# Altium PCB EDA-03518-V3-0_pcb.pcbdoc (part 1 of 14) (continued)
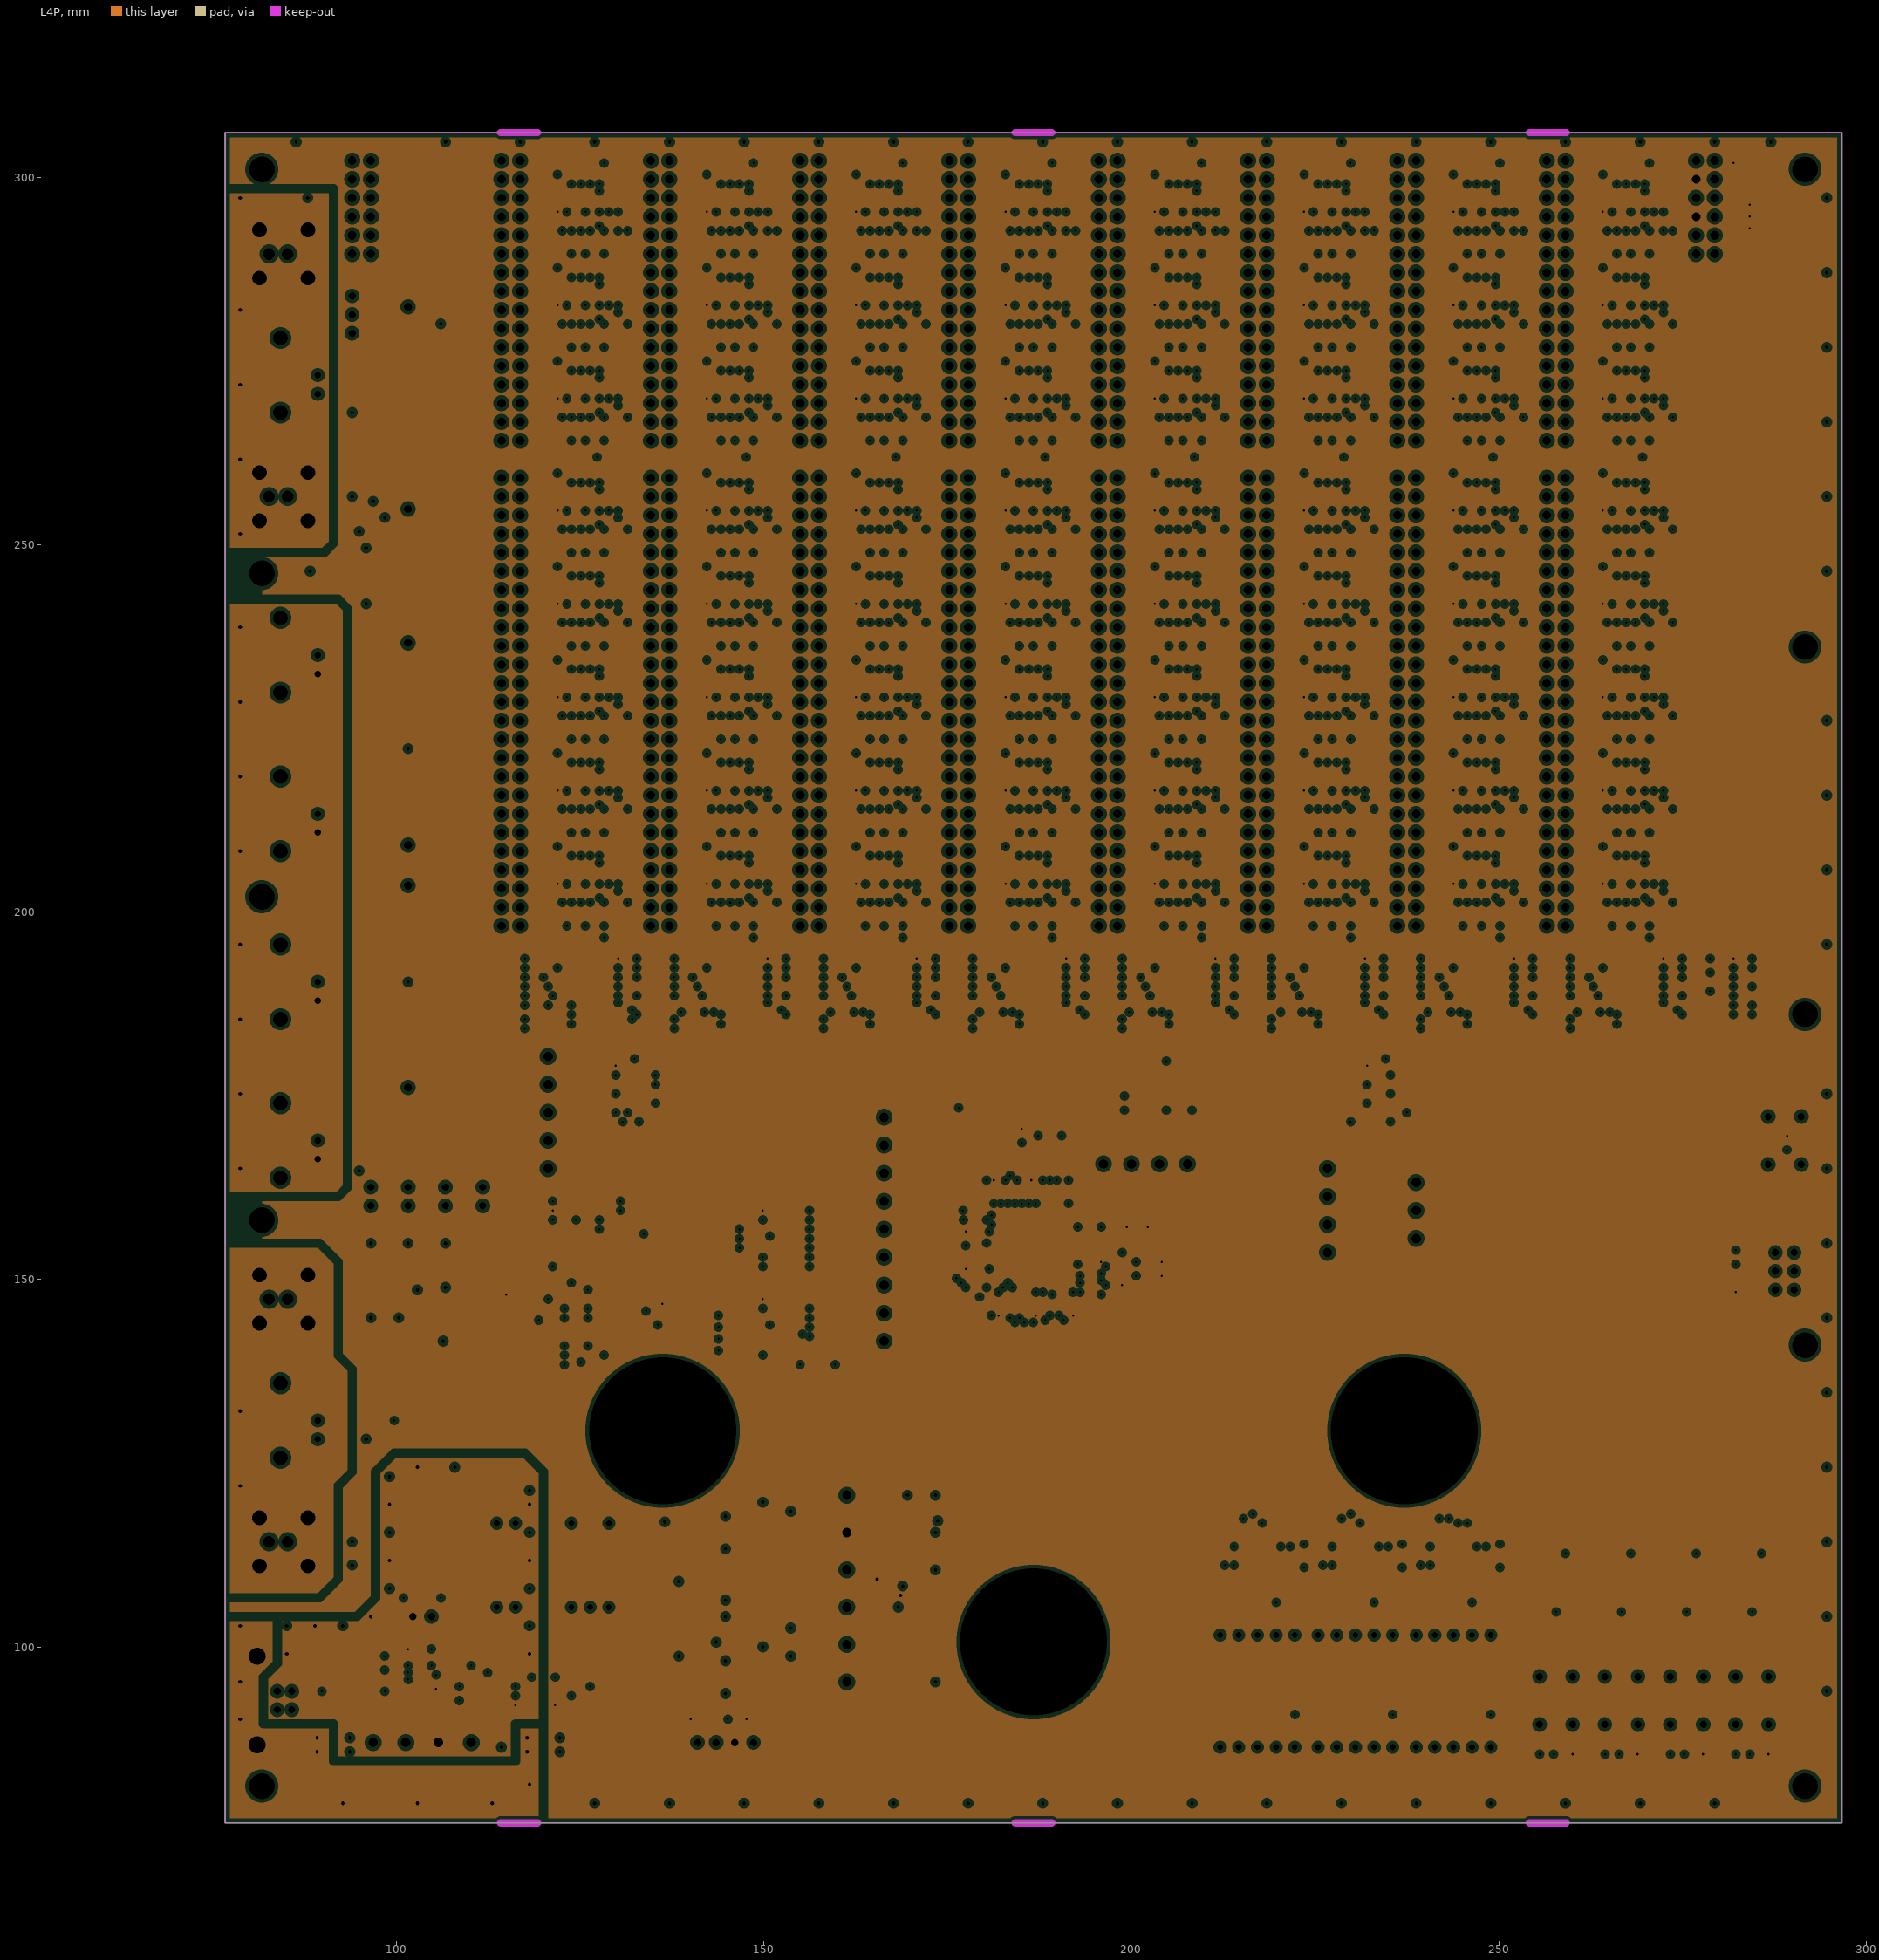
[diagram p4: L4P, clearances drawn from the general rule]
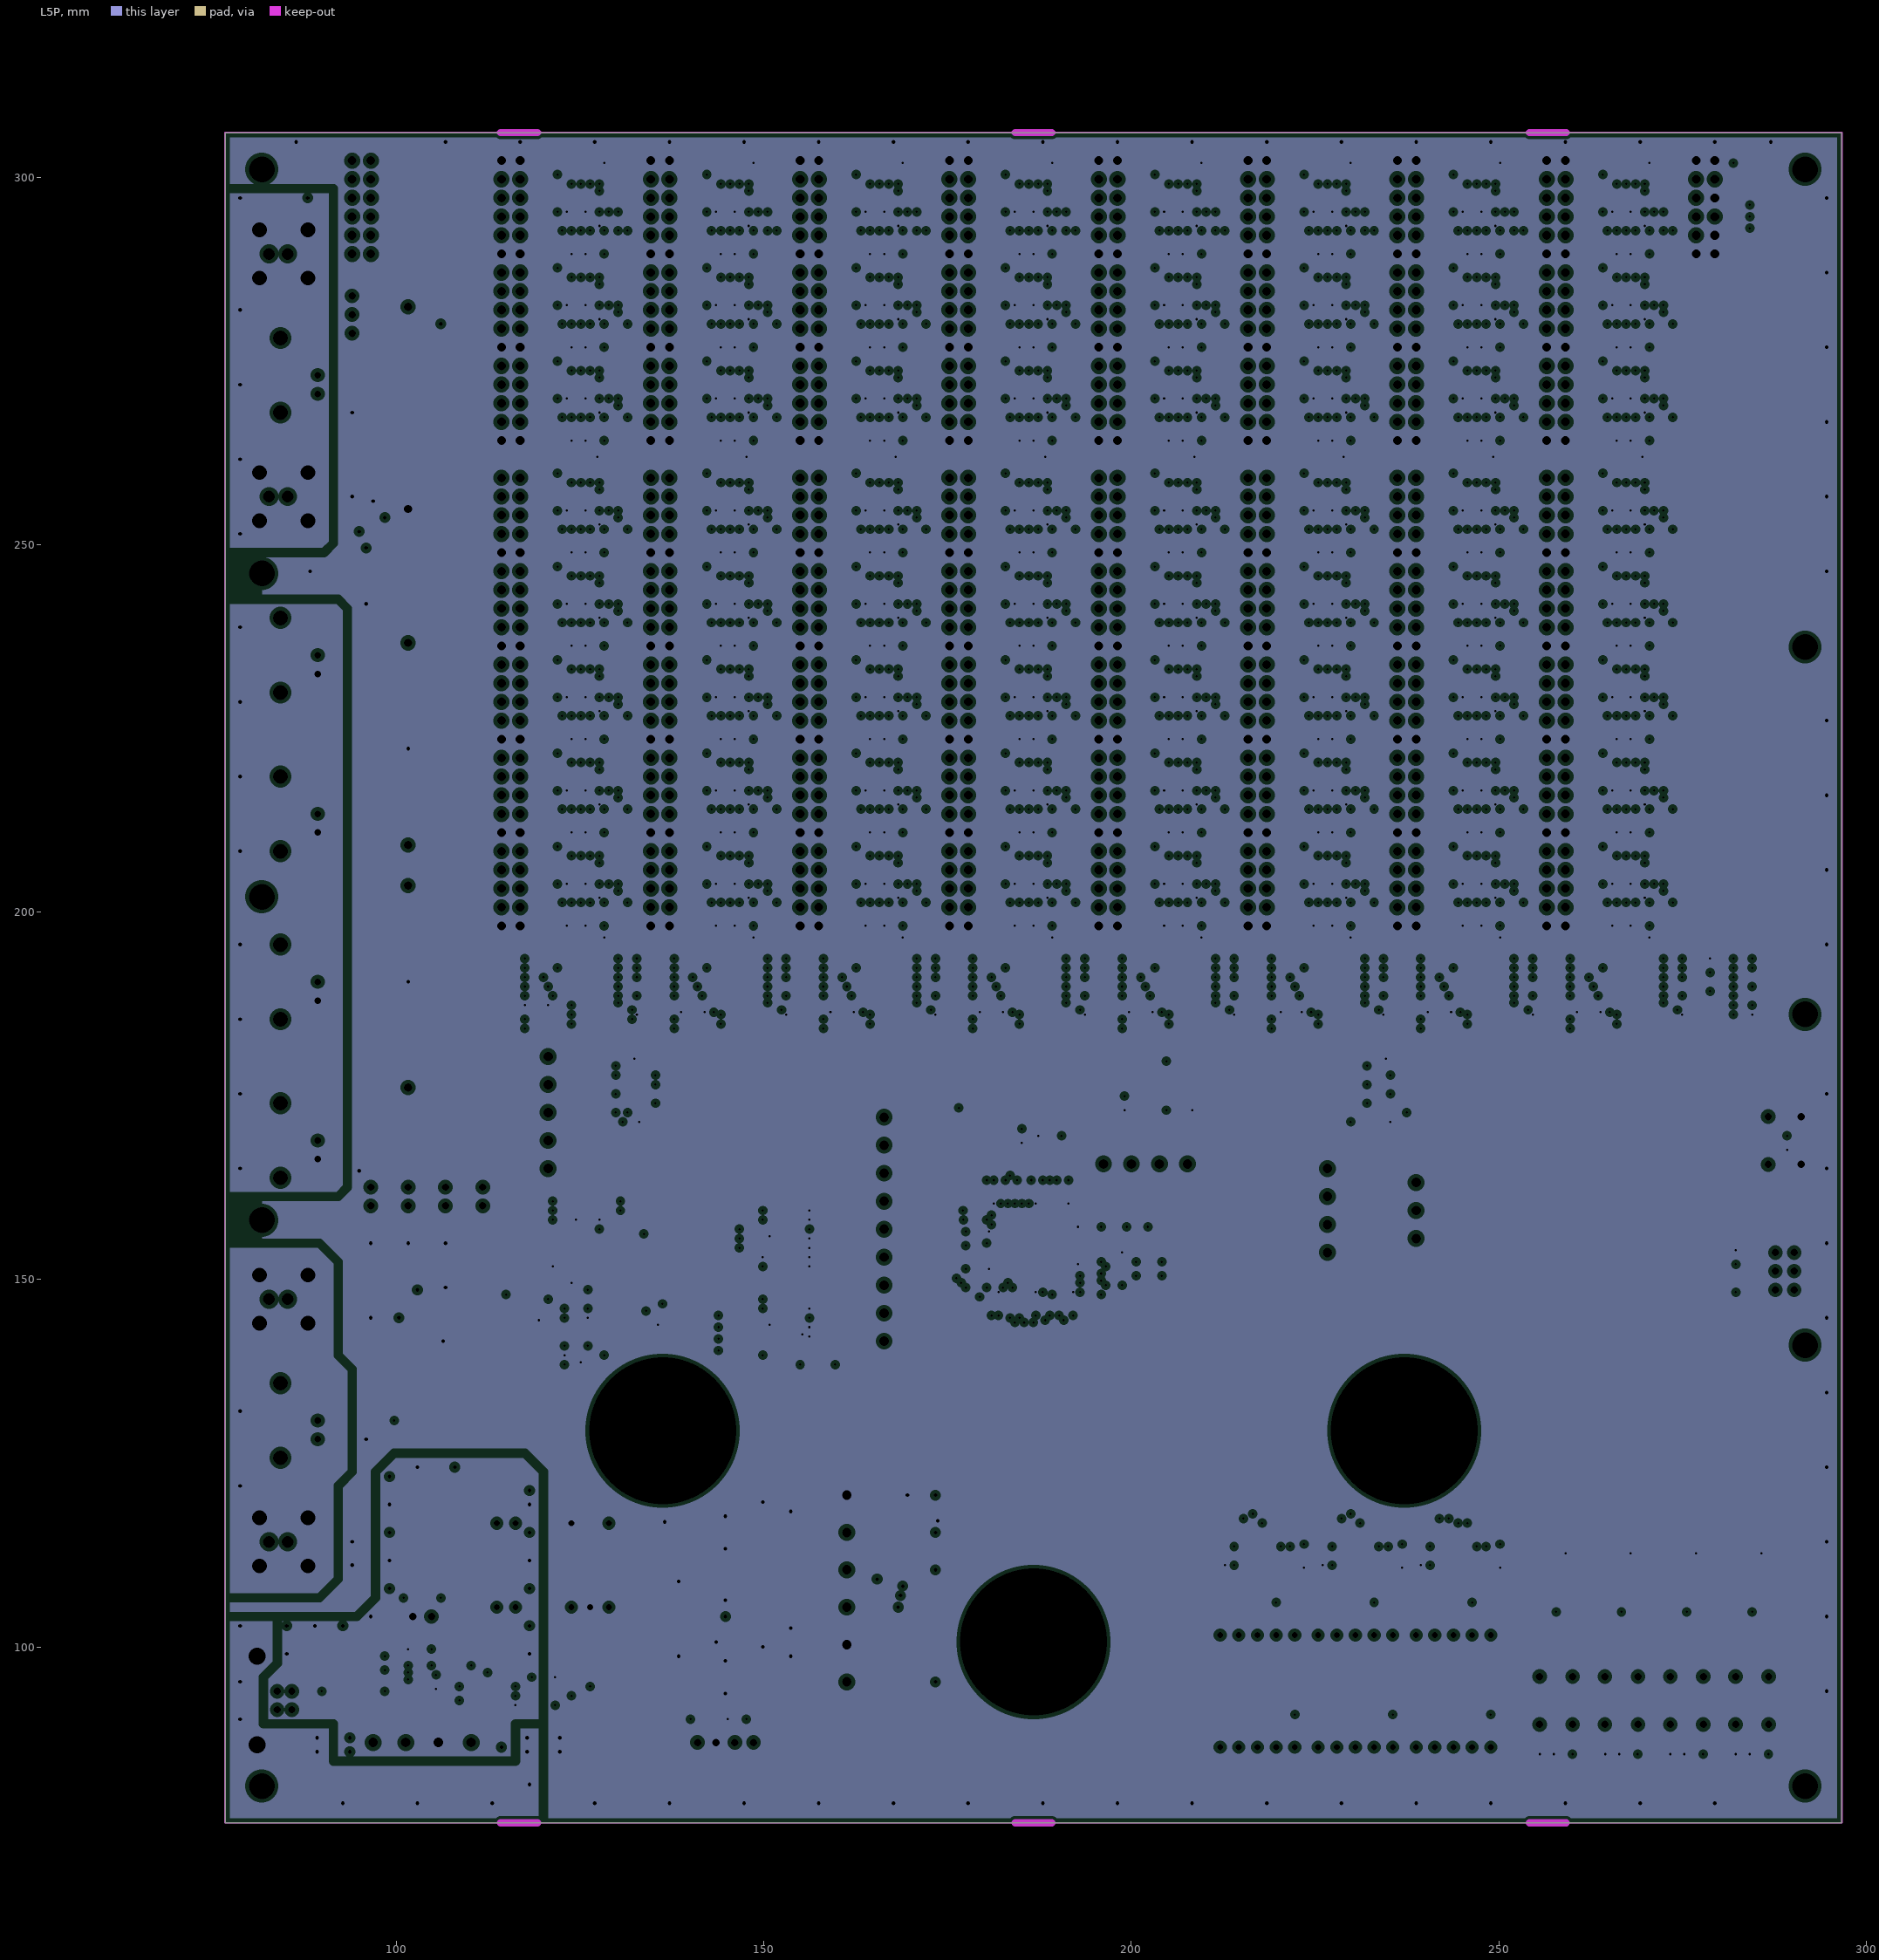
[diagram p5: L5P, clearances drawn from the general rule]
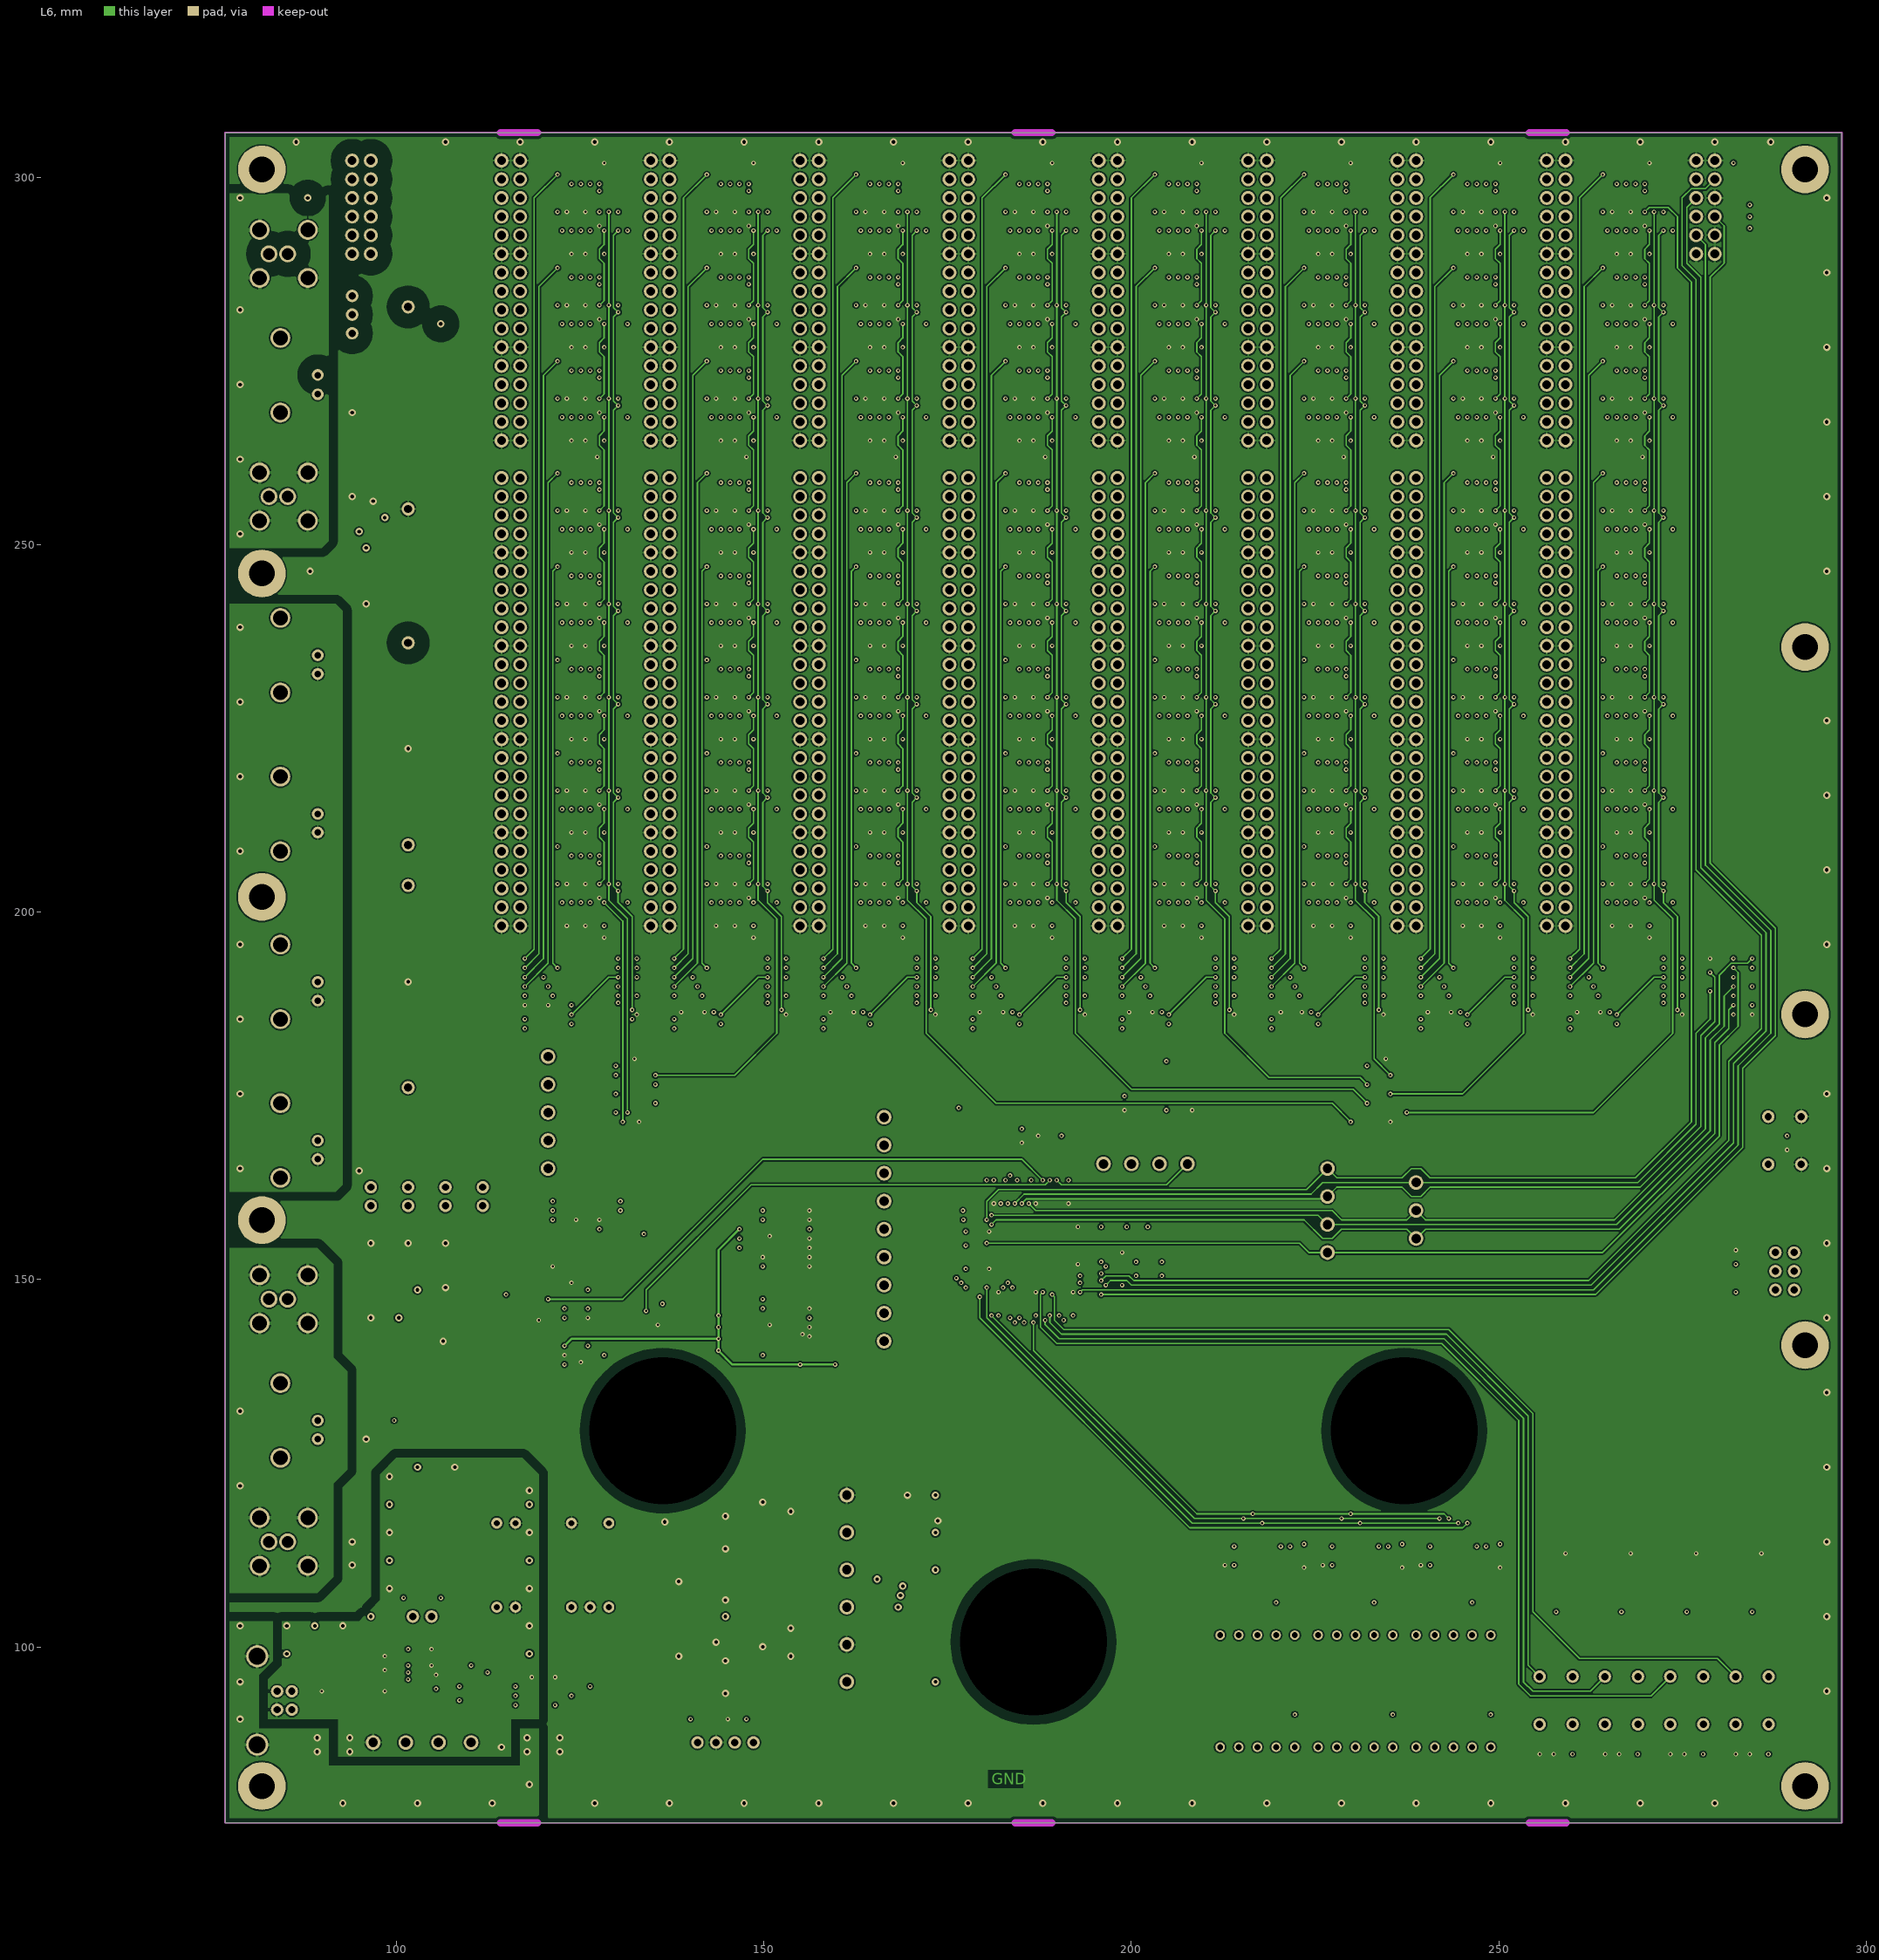
[diagram p6: L6]
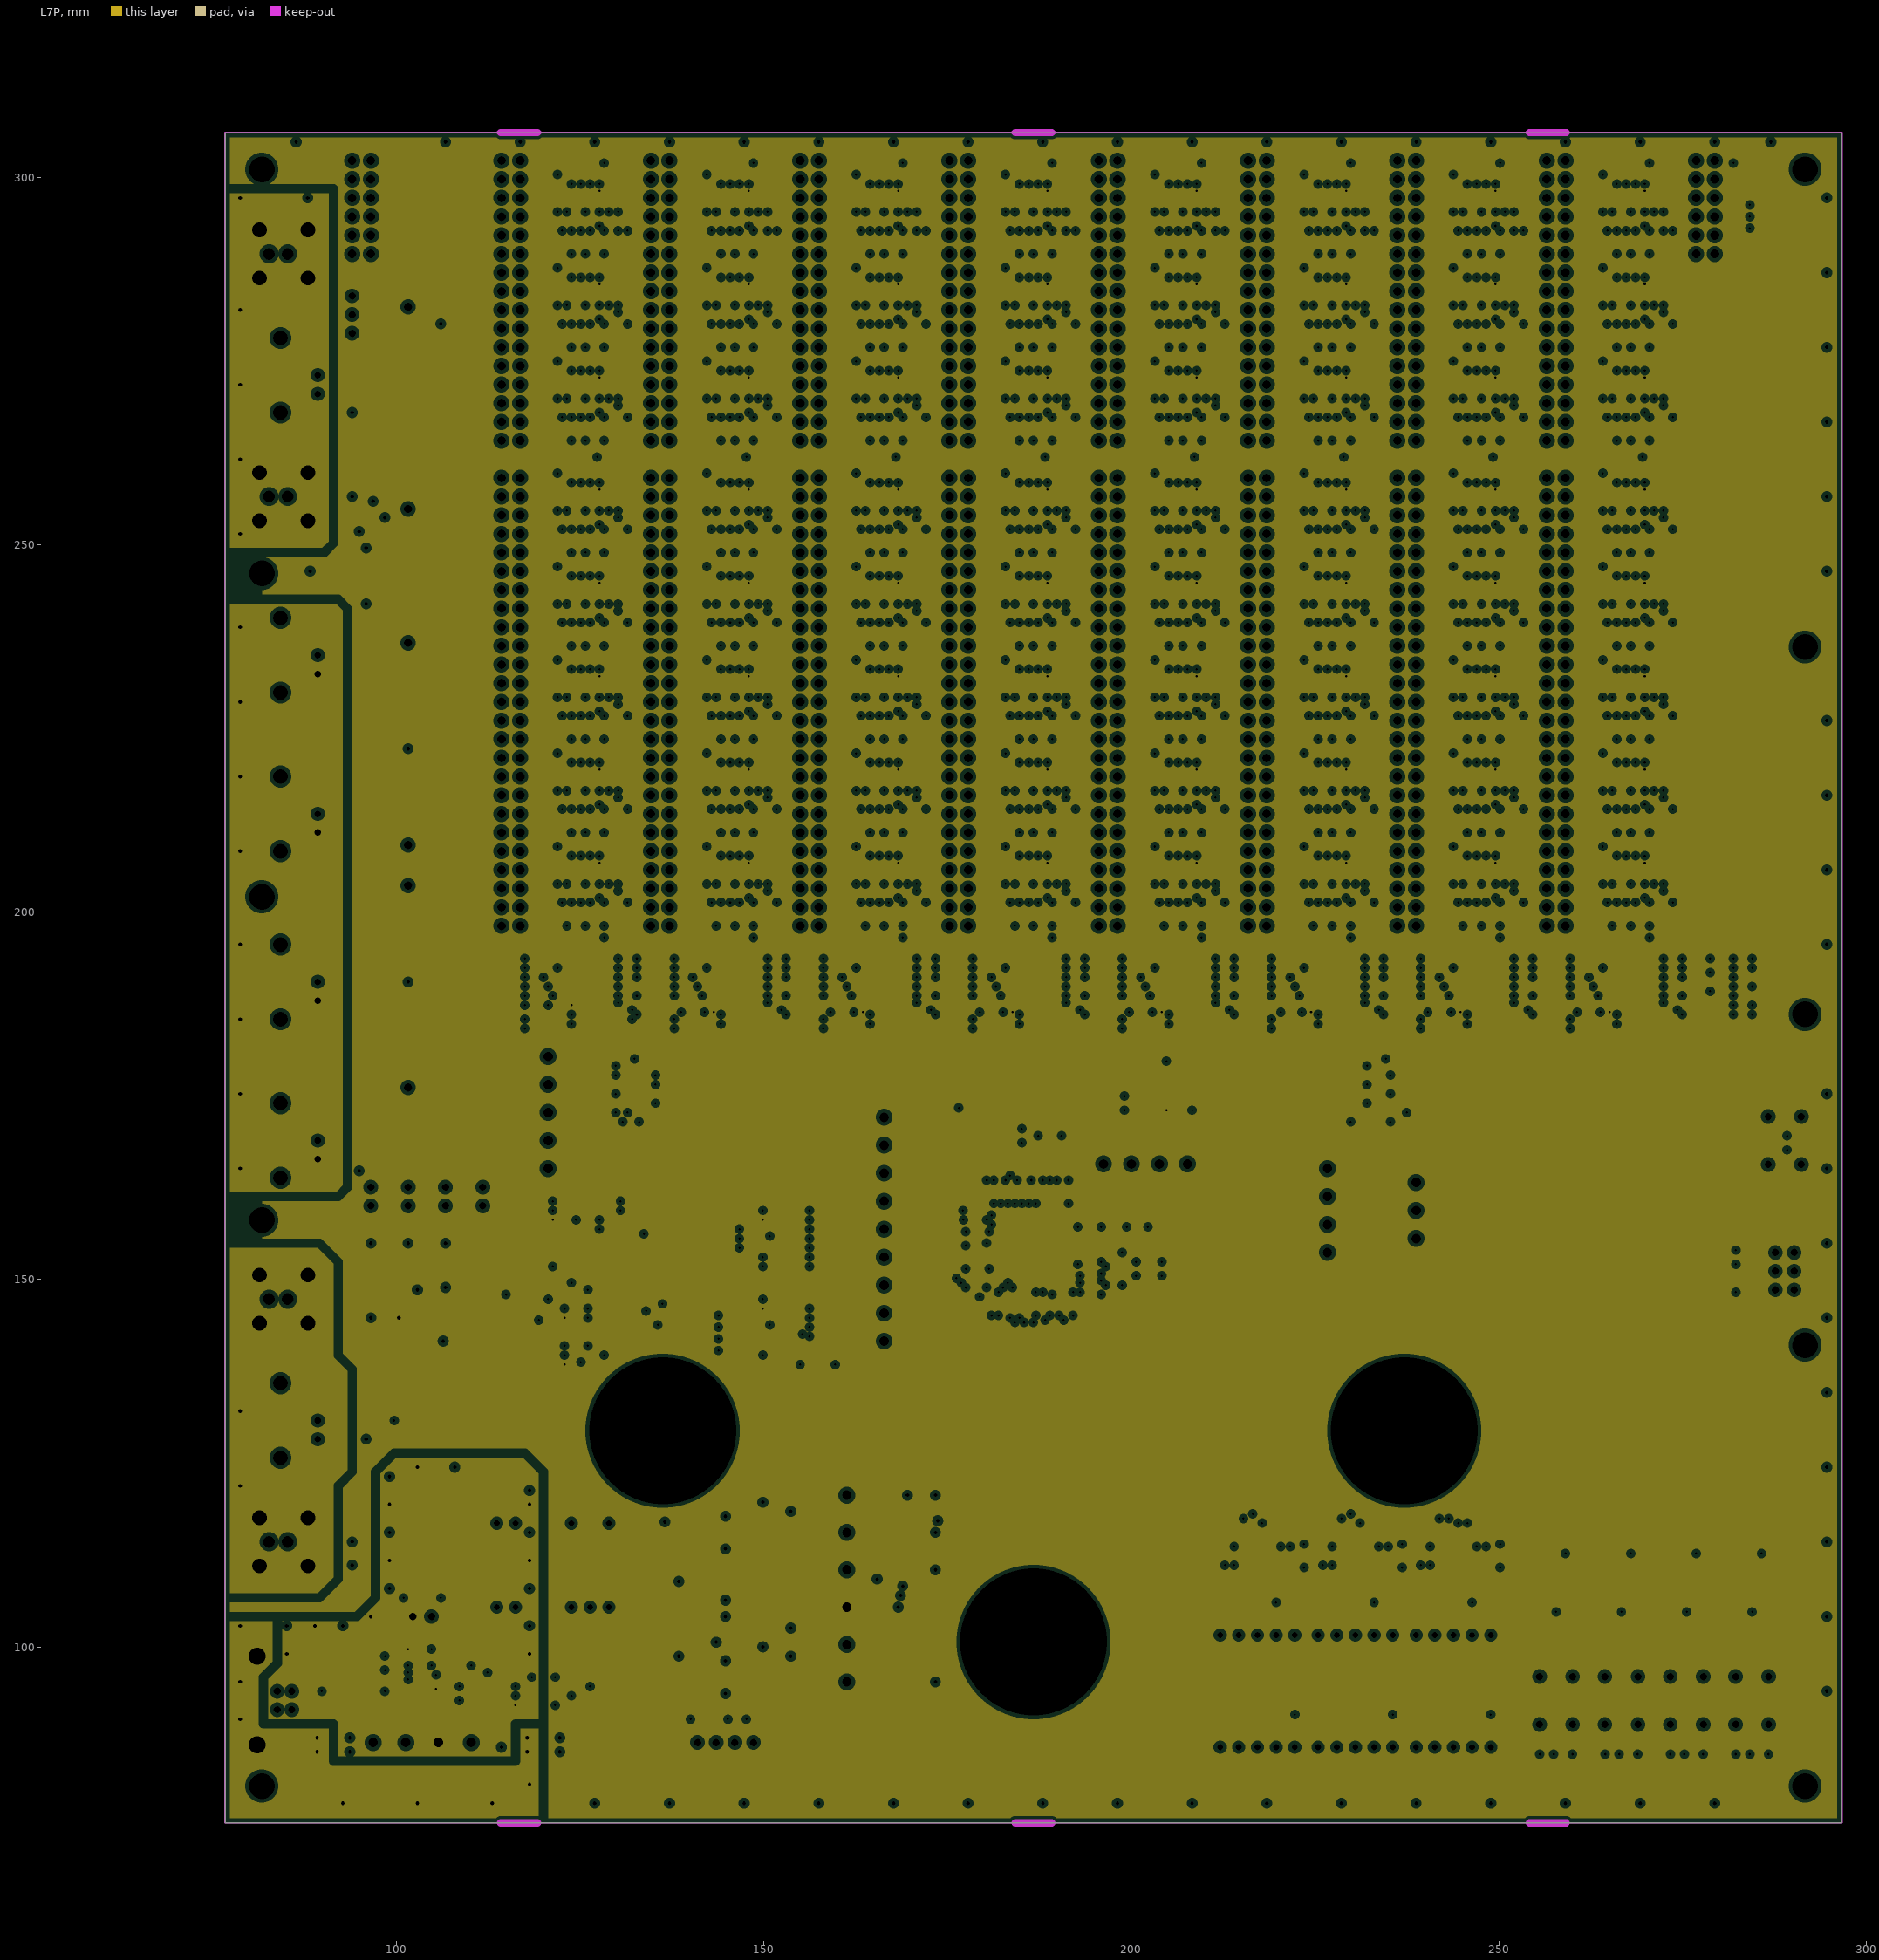
[diagram p7: L7P, clearances drawn from the general rule]

## Layer stack, top to bottom
Top Solder: solder mask 0.01, Solder Resist, Dk 3.5
Top Layer: signal copper 0.035
Dielectric 1: prepreg 0.15, Dk 4.5
L2P: plane copper 0.035, net (Multiple Nets)
Dielectric 6: core 0.2, Dk 4.5
L3: signal copper 0.035
Dielectric 7: prepreg 0.225, Dk 4.5
L4P: plane copper 0.035, net (Multiple Nets)
Dielectric 3: core 0.75, Dk 4.5
L5P: plane copper 0.035, net (Multiple Nets)
Dielectric 5: prepreg 0.225, Dk 4.5
L6: signal copper 0.035
Dielectric 4: core 0.2, Dk 4.5
L7P: plane copper 0.035, net (Multiple Nets)
Dielectric 2: prepreg 0.15, Dk 4.5
Bottom Layer: signal copper 0.035
Bottom Solder: solder mask 0.01, Solder Resist, Dk 3.5

## Board outline
76.69,76.07 76.69,306.07 296.69,306.07 296.69,76.07

## Design rules (kind name [scope] priority, off if disabled: settings)
Clearance Clearance_Poly2Board [InPolygon vs OnLayer('Keep-Out Layer')] p1: gap=0.4 ignorepadtopadclearanceinfootprint=FALSE
Clearance Clearance_P2P [InPolygon or InPadClass('MountingNC') vs InPolygon] p2: gap=1.25 ignorepadtopadclearanceinfootprint=FALSE
Clearance Clearance_HV2P [InNetClass('HV') vs InPolygon] p3: gap=2 ignorepadtopadclearanceinfootprint=FALSE
Clearance Clearance_HV [InNetClass('HV') vs Not InNetClass('HV')] p4: gap=1 ignorepadtopadclearanceinfootprint=FALSE
Clearance Clearance_Mires [OnLayer('Keep-Out Layer') vs HasFootprint('FIDUCIAL_TOP_S200-400') or HasFootprint('FIDUCIAL_TOP_C100-200') or HasFootprint('FIDUCIAL_TOP_S100-200')] p5: gap=0 ignorepadtopadclearanceinfootprint=FALSE except(4.9: Arc-SMDPad Track-SMDPad)
Clearance [All] p6: gap=0.2 ignorepadtopadclearanceinfootprint=FALSE
ComponentClearance ComponentClearance_Overlapping [InComponentClass('Overlapping') or InComponentClass('NotMounted') vs InComponentClass('Overlapping')] p1: gap=0 collisioncheckmode=3 verticalgap=0 showdistances=FALSE
ComponentClearance [not InComponentClass('Overlapping')] p2: gap=0.2 collisioncheckmode=3 verticalgap=0.2 showdistances=FALSE
DiffPairsRouting [All] p1: maxlimit=0.457 minlimit=0.457 mostfreqgap=0.457 toplayer_minwidth=0.229 toplayer_maxwidth=0.229 toplayer_prefwidth=0.229 midlayer1_minwidth=0.229 midlayer1_maxwidth=0.229 midlayer1_prefwidth=0.229 midlayer2_minwidth=0.229 midlayer2_maxwidth=0.229 midlayer2_prefwidth=0.229 bottomlayer_minwidth=0.229 bottomlayer_maxwidth=0.229 bottomlayer_prefwidth=0.229 maxuncoupledlength=2.54
FabricationTestPointUsage TestPointUsage [All] p1: valid=0 allowmultiple=FALSE
FabricationTestpoint Testpoint [All] p1: side=3 testpointundercomponent=TRUE minsize=1.016 maxsize=2.54 preferedsize=1.524 minholesize=0 maxholesize=1.016 preferedholesize=0.813 testpointgrid=0.025 allowsidetop=TRUE allowsidebottom=TRUE usegrid=TRUE gridtolerance=0
Height [All] p1: minheight=0 maxheight=25 prefheight=10
HoleSize [All] p1: absolutevalues=TRUE maxlimit=22 minlimit=0.3 maxpercent=80.000 minpercent=20.000
HoleToHoleClearance [All] p1: gap=0.2 allowstackedmicrovias=TRUE
MinimumAnnularRing MinimumAnnularRing_Via [IsVia] p1: minimumring=0.15
MinimumAnnularRing [All] p2: minimumring=0.25
MinimumSolderMaskSliver [All] p1: minsoldermaskwidth=0.2
PermittedLayers [All] p1: toplayerpermitted=TRUE bottomlayerpermitted=TRUE
PlaneClearance PlaneClearance_MountingNC [InPadClass('MountingNC')] p1: clearance=1.5
PlaneClearance [All] p2: clearance=0.5
PlaneConnect PlaneConnect_Direct [InPadClass('Mounting') or IsVia] p1: planeconnectstyle=Direct reliefexpansion=0.508 reliefentries=4 reliefconductorwidth=0.254 reliefairgap=0.254
PlaneConnect "PlaneConnect_0 > 0.5" [AsMM(HoleDiameter)<0.5] p2: planeconnectstyle=Relief reliefexpansion=0.3 reliefentries=4 reliefconductorwidth=0.2 reliefairgap=0.2
PlaneConnect "PlaneConnect_0.5 > 1" [(AsMM(HoleDiameter)>=0.5) and (AsMM(HoleDiameter)<1)] p3: planeconnectstyle=Relief reliefexpansion=0.3 reliefentries=4 reliefconductorwidth=0.25 reliefairgap=0.2
PlaneConnect "PlaneConnect_1 > 1.5" [(AsMM(HoleDiameter)>=1) and (AsMM(HoleDiameter)<1.5)] p4: planeconnectstyle=Relief reliefexpansion=0.3 reliefentries=4 reliefconductorwidth=0.3 reliefairgap=0.2
PlaneConnect "PlaneConnect_1.5 > 2" [(AsMM(HoleDiameter)>=1.5) and (AsMM(HoleDiameter)<2)] p5: planeconnectstyle=Relief reliefexpansion=0.3 reliefentries=4 reliefconductorwidth=0.4 reliefairgap=0.2
PlaneConnect [All] p6: planeconnectstyle=Relief reliefexpansion=0.3 reliefentries=4 reliefconductorwidth=0.5 reliefairgap=0.2
PolygonConnect PolygonConnect_Direct [InPadClass('Mounting') or IsVia] p1: connectstyle=Direct reliefconductorwidth=0.254 reliefentries=4 polygonreliefangle="90 Angle" airgapwidth=0.254
PolygonConnect "PolygonConnect_0 > 0.5" [AsMM(HoleDiameter)<0.5] p2: connectstyle=Relief reliefconductorwidth=0.2 reliefentries=4 polygonreliefangle="90 Angle" airgapwidth=0.2
PolygonConnect "PolygonConnect_0.5 > 1" [(AsMM(HoleDiameter)>=0.5) and (AsMM(HoleDiameter)<1)] p3: connectstyle=Relief reliefconductorwidth=0.25 reliefentries=4 polygonreliefangle="90 Angle" airgapwidth=0.2
PolygonConnect "PolygonConnect_1 > 1.5" [(AsMM(HoleDiameter)>=1) and (AsMM(HoleDiameter)<1.5)] p4: connectstyle=Relief reliefconductorwidth=0.3 reliefentries=4 polygonreliefangle="90 Angle" airgapwidth=0.2
PolygonConnect "PolygonConnect_1.5 > 2" [(AsMM(HoleDiameter)>=1.5) and (AsMM(HoleDiameter)<2)] p5: connectstyle=Relief reliefconductorwidth=0.4 reliefentries=4 polygonreliefangle="90 Angle" airgapwidth=0.2
PolygonConnect [All] p6: connectstyle=Relief reliefconductorwidth=0.5 reliefentries=4 polygonreliefangle="90 Angle" airgapwidth=0.2
RoomDefinition USB [InComponentClass('USB')] p1: confinementstyle=ConfineIn formatcopy=TRUE lockcomponents=FALSE outline 70.485,84.455 202.565,84.455 202.565,173.99 70.485,173.99
RoomDefinition switchingMatrix [InComponentClass('switchingMatrix')] p2: confinementstyle=ConfineIn formatcopy=TRUE lockcomponents=FALSE outline 86.36,80.645 292.735,80.645 292.735,306.705 86.36,306.705
RoomDefinition M [InComponentClass('M')] p3: confinementstyle=ConfineIn formatcopy=TRUE lockcomponents=FALSE outline 127,168.91 287.655,168.91 287.655,195.58 127,195.58
RoomDefinition Display [InComponentClass('Display')] p4: confinementstyle=ConfineIn formatcopy=TRUE lockcomponents=FALSE outline 210.185,84.455 288.29,84.455 288.29,116.84 210.185,116.84
RoomDefinition CM [InComponentClass('CM')] p5: confinementstyle=ConfineIn formatcopy=TRUE lockcomponents=FALSE outline 112.395,135.255 160.655,135.255 160.655,150.495 112.395,150.495
RoomDefinition Analog [InComponentClass('Analog')] p6: confinementstyle=ConfineIn formatcopy=TRUE lockcomponents=FALSE outline 55.245,105.41 240.665,105.41 240.665,306.705 55.245,306.705
RoomDefinition 78 [InComponentClass('78')] p7: confinementstyle=ConfineIn formatcopy=TRUE lockcomponents=FALSE outline 259.715,286.385 275.59,286.385 275.59,302.895 259.715,302.895
RoomDefinition 77 [InComponentClass('77')] p8: confinementstyle=ConfineIn formatcopy=TRUE lockcomponents=FALSE outline 239.395,286.385 255.27,286.385 255.27,302.895 239.395,302.895
RoomDefinition 76 [InComponentClass('76')] p9: confinementstyle=ConfineIn formatcopy=TRUE lockcomponents=FALSE outline 219.075,286.385 234.95,286.385 234.95,302.895 219.075,302.895
RoomDefinition 75 [InComponentClass('75')] p10: confinementstyle=ConfineIn formatcopy=TRUE lockcomponents=FALSE outline 198.755,286.385 214.63,286.385 214.63,302.895 198.755,302.895
RoomDefinition 74 [InComponentClass('74')] p11: confinementstyle=ConfineIn formatcopy=TRUE lockcomponents=FALSE outline 178.435,286.385 194.31,286.385 194.31,302.895 178.435,302.895